# Allegro board HI3516AREFB_VER_B_PCB.brd (continued)
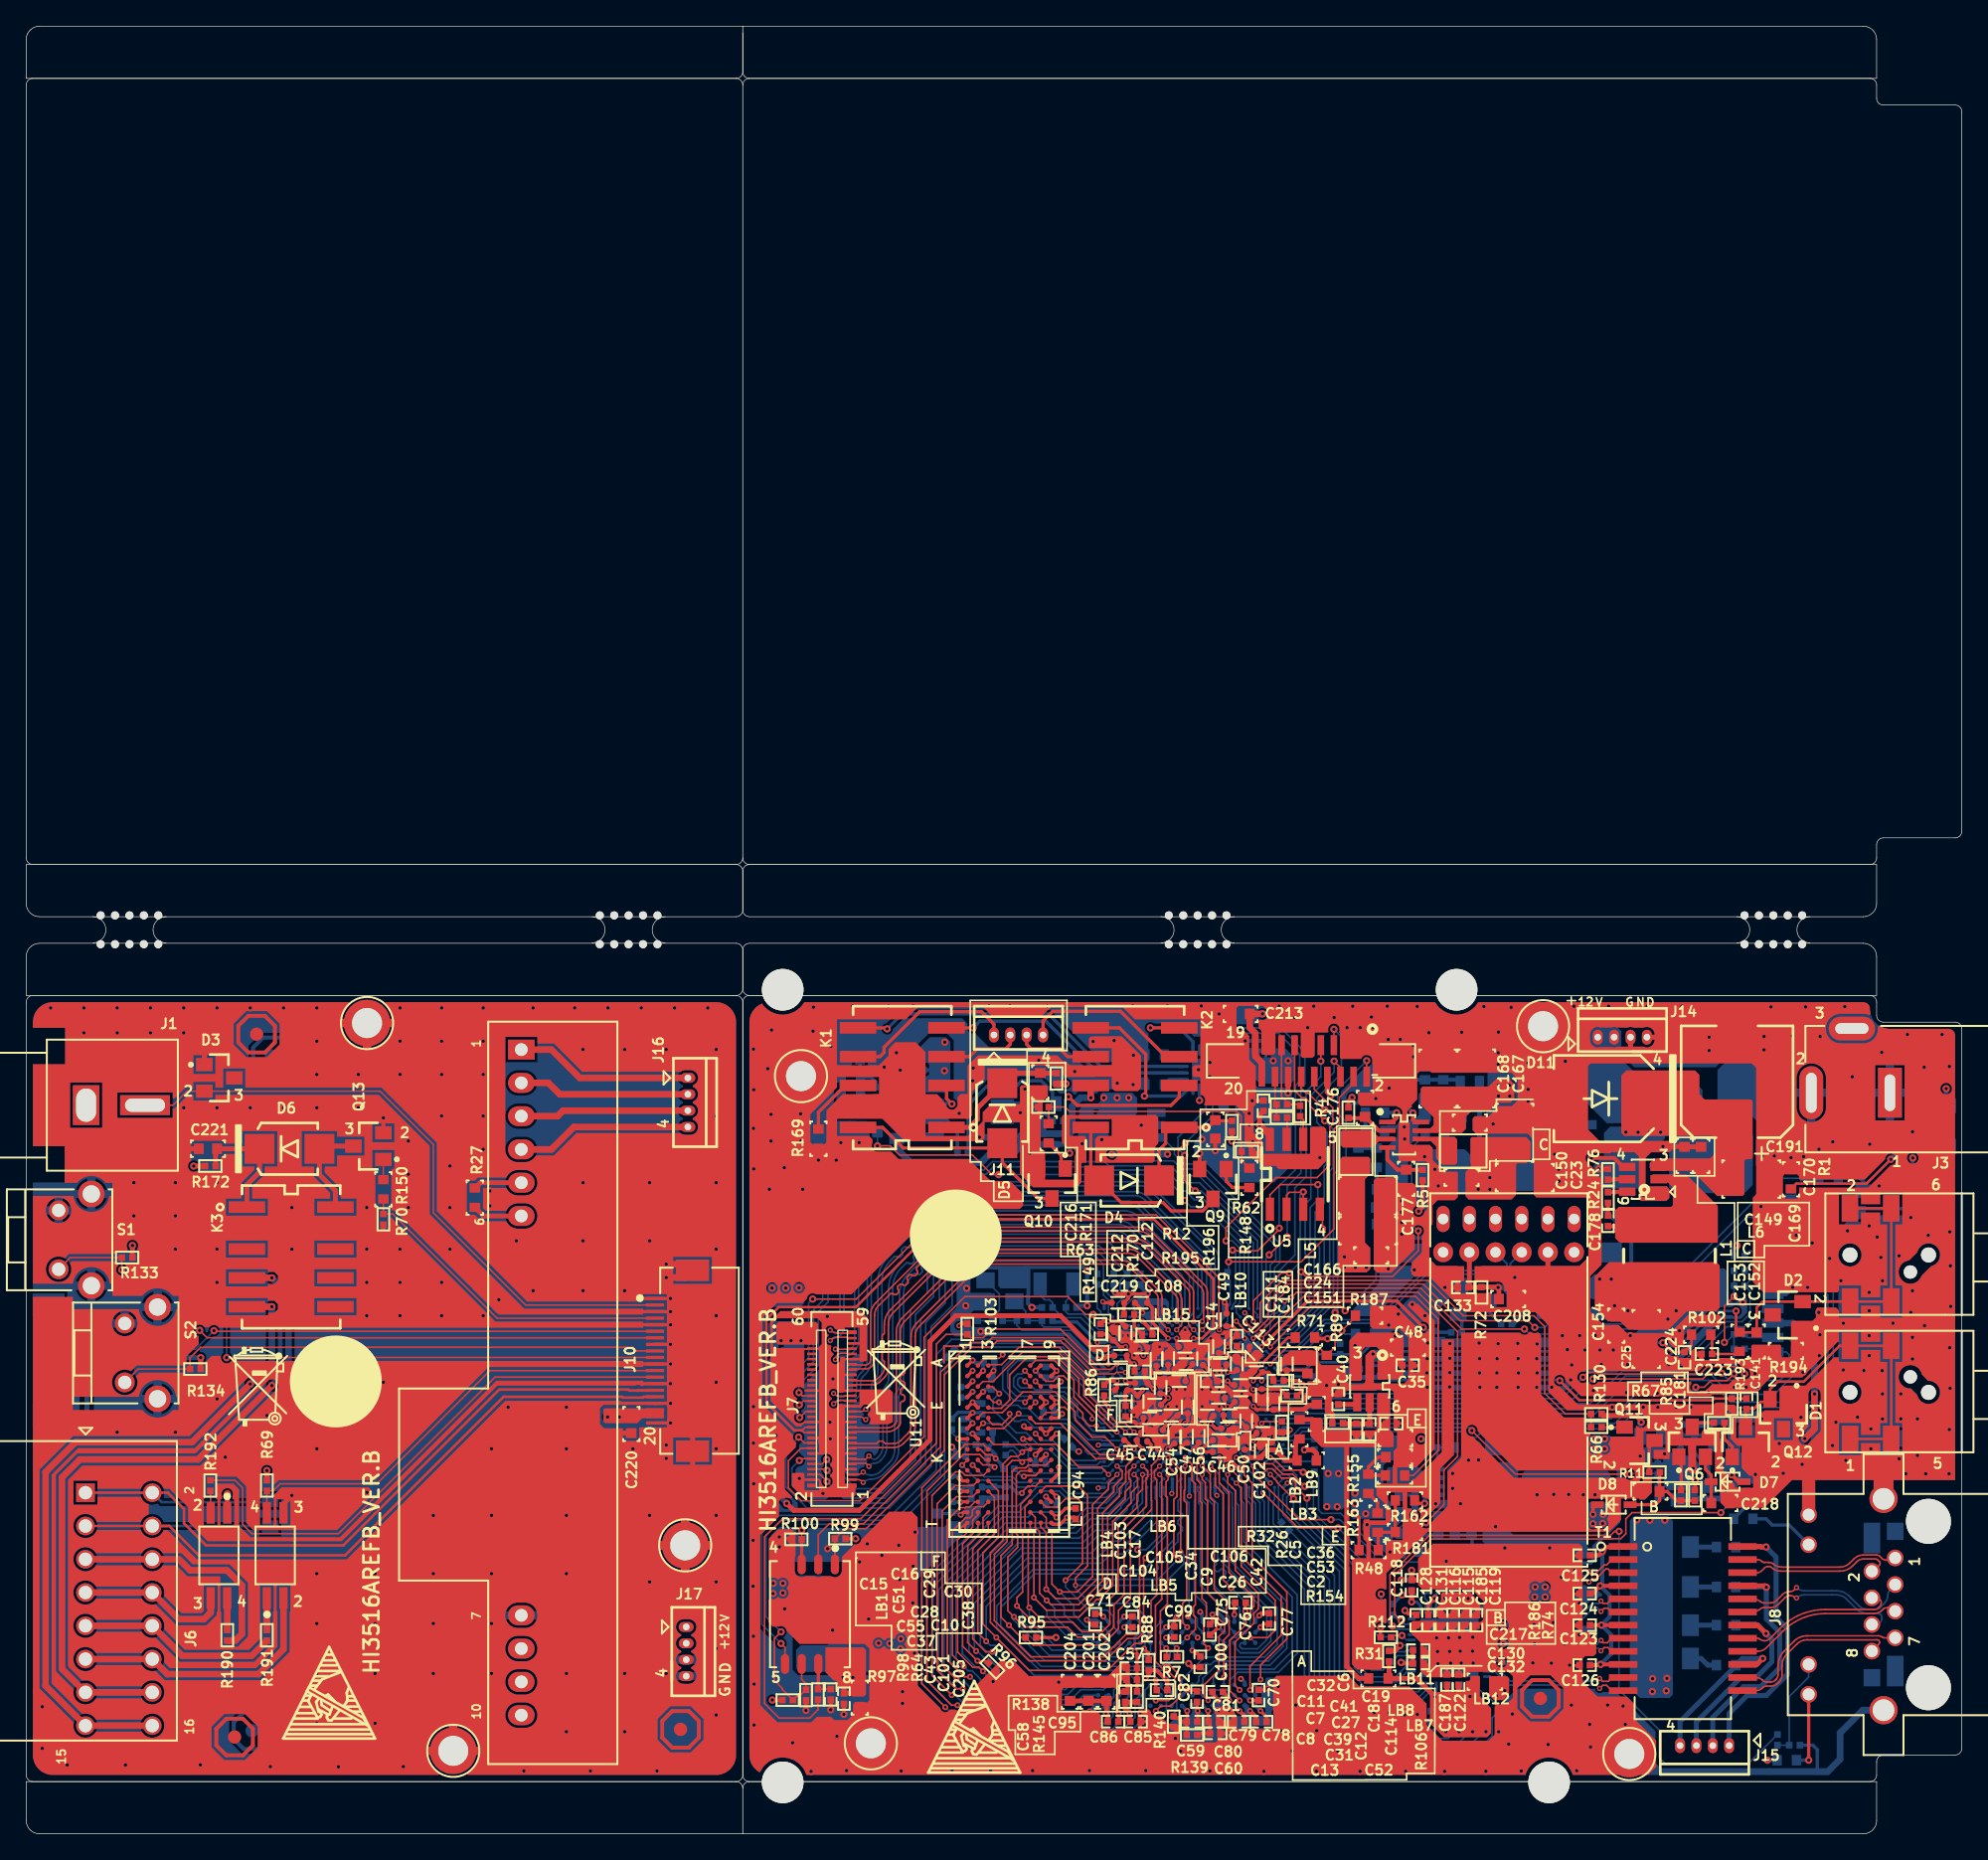
[diagram p0: board, top side]
## Nets (continued)
GND: C1.2 C2.2 C3.2 C4.2 C6.2 C7.2 C8.2 C9.2 C10.2 C11.2 C12.2 C13.2 C14.2 C15.2 C16.2 C17.2 C18.2 C19.2 C20.2 C21.2 C22.2 C23.2 C24.2 C25.2 C26.2 C27.2 C28.2 C29.2 C30.2 C31.2 C32.2 C33.2 C34.2 C35.2 C36.2 C37.2 C38.2 C39.2 C40.2 C41.2 C42.2 C43.2 C44.2 C45.2 C46.2 C47.2 C48.2 C49.2 C50.2 C51.2 C52.2 C53.2 C54.2 C55.2 C56.2 C57.2 C58.2 C59.2 C60.2 C61.2 C62.2 C63.2 C64.2 C65.2 C66.2 C67.2 C68.2 C70.2 C71.2 C75.2 C76.2 C77.2 C78.2 C79.2 C80.2 C81.2 C82.2 C83.2 C84.2 C85.2 C86.2 C87.2 C88.2 C89.2 C90.2 C91.2 C92.2 C93.2 C94.2 C95.2 C96.2 C99.2 C100.2 C101.2 C102.2 C103.2 C104.2 C105.2 C106.2 C108.2 C110.2 C111.2 C112.2 C113.2 C114.2 C115.2 C116.2 C117.2 C118.2 C119.2 C122.2 C123.2 C124.2 C125.2 C126.2 C127.2 C128.2 C129.2 C130.2 C131.2 C132.2 C133.2 C134.2 C136.1 C138.1 C140.2 C141.2 C143.2 C144.2 C145.2 C146.2 C147.2 C148.2 C149.2 C150.2 C151.2 C152.2 C153.2 C154.2 C156.2 C157.2 C158.2 C159.1 C160.2 C162.2 C163.2 C164.2 C165.2 C166.2 C167.2 C168.2 C169.2 C170.2 C172.2 C173.2 C174.2 C175.2 C176.2 C177.2 C184.2 C185.2 C186.2 C187.2 C188.2 C189.2 C190.2 C191.2 C192.2 C193.2 C194.2 C195.2 C196.2 C197.2 C198.2 C199.2 C200.2 C201.2 C202.2 C203.2 C204.2 C205.2 C208.2 C209.2 C210.2 C211.2 C212.2 C213.2 C214.2 C215.2 C216.2 C217.2 C218.2 C219.2 C222.2 C223.2 C224.2 D1.1 D2.1 D11.1 J2.2 J3.1 J3.3 J4.5 J4.6 J5.5 J5.6 J7.1 J7.4 J7.7 J7.13 J7.14 J7.19 J7.20 J7.25 J7.26 J7.31 J7.37 J7.38 J7.43 J7.49 J7.54 J7.55 J8.11 J8.12 J8.13 J9.1 J9.3 J9.5 J9.8 J9.11 J9.14 J9.17 J9.20 J9.21 J9.22 J13.6 J13.9 J13.10 J13.11 J14.3 J14.4 M5.1 M6.1 M7.1 M8.1 Q3.2 Q4.2 Q9.2 Q10.2 Q11.2 Q12.2 R1.2 R32.1 R59.1 R61.1 R62.1 R63.1 R71.1 R72.1 R73.1 R77.2 R78.2 R85.1 R86.1 R87.1 R88.1 R89.1 R95.1 R96.1 R98.1 R100.1 R106.1 R119.2 R121.2 R131.1 R132.1 R137.1 R138.1 R140.1 R141.1 R143.1 R147.1 R151.1 R169.1 R176.1 R178.1 R180.1 R181.1 R182.1 R183.1 R187.1 R188.2 R189.1 R194.1 R194.2 U2.43 U2.47 U2.49 U3.2 U4.4 U5.5 U6.1 U7.3 U7.5 U8.A1 U8.A9 U8.A11 U8.A14 U8.A22 U8.AA6 U8.AA8 U8.AA15 U8.AA18 U8.AB1 U8.AB15 U8.AB22 U8.B9 U8.B11 U8.B14 U8.B17 U8.B20 U8.D17 U8.E5 U8.E7 U8.E14 U8.E18 U8.F1 U8.F2 U8.H9 U8.H12 U8.H18 U8.H22 U8.J9 U8.J10 U8.J11 U8.J12 U8.J13 U8.J14 U8.K5 U8.K8 U8.K9 U8.K10 U8.K11 U8.K12 U8.K13 U8.K14 U8.L9 U8.L10 U8.L11 U8.L12 U8.L13 U8.L14 U8.L15 U8.M9 U8.M10 U8.M11 U8.M12 U8.M13 U8.M14 U8.N5 U8.N9 U8.N10 U8.N11 U8.N12 U8.N13 U8.N14 U8.N21 U8.N22 U8.P5 U8.P9 U8.P10 U8.P11 U8.P12 U8.P13 U8.P14 U8.P19 U8.P20 U8.R1 U8.R12 U8.R18 U8.T5 U8.T21 U8.T22 U8.U19 U8.V1 U8.V2 U8.V5 U8.V10 U8.V13 U8.V15 U8.V18 U8.W3 U8.W11 U8.W14 U8.W17 U8.Y8 U8.Y11 U8.Y14 U11.A9 U11.B1 U11.B3 U11.B9 U11.D1 U11.D8 U11.E1 U11.E2 U11.E8 U11.F9 U11.G1 U11.G8 U11.G9 U11.J2 U11.J8 U11.M1 U11.M9 U11.P1 U11.P9 U11.T1 U11.T9 U12.A9 U12.B1 U12.B3 U12.B9 U12.D1 U12.D8 U12.E1 U12.E2 U12.E8 U12.F9 U12.G1 U12.G8 U12.G9 U12.J2 U12.J8 U12.M1 U12.M9 U12.P1 U12.P9 U12.T1 U12.T9 U13.11 U13.17 U14.2 U15.4 U16.2 U17.5 U18.5 X1.2 X1.4
PGND: C142.2 C220.2 C221.2 D3.1 D12.3 J1.2 J10.1 J10.3 J10.5 J10.8 J10.11 J10.14 J10.17 J10.20 J10.21 J10.22 J12.4 J17.3 J17.4 M9.1 M10.1 M11.1 Q13.2 R70.1 S1.1 S1.3 S1.4 S2.1 S2.3 S2.4 U1.7 U9.3
A-_WHITE: K1.4 U13.2
A_RED: K2.5 U13.16
AC_MIC_IN: C141.1 C182.2 D2.2 J5.1 J5.2 J5.3 J5.4 R193.1
AC_MICBIAS: C214.1 C224.1 R102.2 U8.R22
AC_OUTL: C33.1 C181.2 R85.2 U8.R19
AC_VREF: C111.1 C184.1 U8.R21
ALARM_IN: J6.9 J6.10 R191.2
ALARM_IN_CON: J10.12 R69.1 U9.4
ALARM_IN_GND: J6.11 J6.12 U9.2
ALARM_OUT: J6.5 J6.6 R190.2
ALARM_OUT_CON: J10.13 R192.1
ALARM_OUT_GND: J6.7 J6.8 U10.3
B-_GREEN: K1.5 U13.3
B_BLACK: K2.4 U13.5
CONT+: C137.1 C138.2 K2.7 R84.1 R94.1 R146.1 R147.2
CONT+/A_RED: J11.3 K2.6
CONT-: K2.2 R83.1
CONT-/B_BLACK: J11.4 K2.3
DC_IRIS_PWM: R168.1 U8.AB18
DDR3_1_VREF_CA: C57.1 R138.2 R145.1 U12.M8
DDR3_1_VREF_DQ: C59.1 R139.1 R140.2 U12.H1
DDR3_2_VREF_CA: C62.1 R141.2 R142.1 U11.M8
DDR3_2_VREF_DQ: C64.1 R143.2 R144.1 U11.H1
DDR3_A0: U8.A7 U11.N3 U12.N3
DDR3_A1: U8.C5 U11.P7 U12.P7
DDR3_A2: U8.B5 U11.P3 U12.P3
DDR3_A3: U8.B4 U11.N2 U12.N2
DDR3_A4: U8.C9 U11.P8 U12.P8
DDR3_A5: U8.A4 U11.P2 U12.P2
DDR3_A6: U8.C3 U11.R8 U12.R8
DDR3_A7: U8.A5 U11.R2 U12.R2
DDR3_A8: U8.D4 U11.T8 U12.T8
DDR3_A9: U8.A6 U11.R3 U12.R3
DDR3_A10: U8.C6 U11.L7 U12.L7
DDR3_A11: U8.D6 U11.R7 U12.R7
DDR3_A12: U8.C7 U11.N7 U12.N7
DDR3_A13: U8.B7 U11.T3 U12.T3
DDR3_A14: U8.D5 U11.T7 U12.T7
DDR3_BA0: U8.A3 U11.M2 U12.M2
DDR3_BA1: U8.D9 U11.N8 U12.N8
DDR3_BA2: U8.D8 U11.M3 U12.M3
DDR3_CAS_N: U8.A2 U11.K3 U12.K3
DDR3_CKE: R95.2 U8.D7 U11.K9 U12.K9
DDR3_CLK0_N: R7.1 U8.A10 U12.K7
DDR3_CLK0_P: R7.2 U8.B10 U12.J7
DDR3_CLK1_N: R6.1 U8.B8 U11.K7
DDR3_CLK1_P: R6.2 U8.A8 U11.J7
DDR3_CS0_N: U8.C8 U12.L2
DDR3_CS1_N: U8.B1 U11.L2
DDR3_DM0: U8.B12 U12.E7
DDR3_DM1: U8.D13 U12.D3
DDR3_DM2: U8.H3 U11.E7
DDR3_DM3: U8.F4 U11.D3
DDR3_DQ0: U8.A16 U12.E3
DDR3_DQ1: U8.D12 U12.F7
DDR3_DQ2: U8.C13 U12.F2
DDR3_DQ3: U8.C11 U12.F8
DDR3_DQ4: U8.C14 U12.H3
DDR3_DQ5: U8.C10 U12.H8
DDR3_DQ6: U8.A17 U12.G2
DDR3_DQ7: U8.D11 U12.H7
DDR3_DQ8: U8.C12 U12.D7
DDR3_DQ9: U8.C15 U12.C3
DDR3_DQ10: U8.A12 U12.C8
DDR3_DQ11: U8.D15 U12.C2
DDR3_DQ12: U8.B16 U12.A7
DDR3_DQ13: U8.C16 U12.A2
DDR3_DQ14: U8.D14 U12.B8
DDR3_DQ15: U8.D16 U12.A3
DDR3_DQ16: U8.G3 U11.E3
DDR3_DQ17: U8.D3 U11.F7
DDR3_DQ18: U8.F3 U11.F2
DDR3_DQ19: U8.E4 U11.F8
DDR3_DQ20: U8.C2 U11.H3
DDR3_DQ21: U8.E3 U11.H8
DDR3_DQ22: U8.C1 U11.G2
DDR3_DQ23: U8.D2 U11.H7
DDR3_DQ24: U8.J3 U11.D7
DDR3_DQ25: U8.D1 U11.C3
DDR3_DQ26: U8.J1 U11.C8
DDR3_DQ27: U8.H4 U11.C2
DDR3_DQ28: U8.H2 U11.A7
DDR3_DQ29: U8.J4 U11.A2
DDR3_DQ30: U8.H1 U11.B8
DDR3_DQ31: U8.G4 U11.A3
DDR3_DQS0_N: U8.A15 U12.G3
DDR3_DQS0_P: U8.B15 U12.F3
DDR3_DQS1_N: U8.A13 U12.B7
DDR3_DQS1_P: U8.B13 U12.C7
DDR3_DQS2_N: U8.E2 U11.G3
DDR3_DQS2_P: U8.E1 U11.F3
DDR3_DQS3_N: U8.G1 U11.B7
DDR3_DQS3_P: U8.G2 U11.C7
DDR3_ODT_0: U8.D10 U12.K1
DDR3_ODT_1: U8.B2 U11.K1
DDR3_RAS_N: U8.B3 U11.J3 U12.J3
DDR3_RESET_N: R96.2 U8.B6 U11.T2 U12.T2
DDR3_WE_N: U8.C4 U11.L3 U12.L3
DDR3_ZQ: R86.2 U8.J2
DRV: C135.2 K1.2 R38.2 U15.7
DRV-: K1.7 R169.2
DVR-/B-_GREEN: J11.1 K1.6
DVR/A-_WHITE: J11.2 K1.3
EPHY_CLK: R22.1 U2.42
EPHY_RSTN: C192.1 U2.29 U8.D20
FLASH: J6.13 J6.14 K3.3
FLASH_COM: J6.15 J6.16 K3.4
FLASH_CON: J10.4 R70.2 R150.1
FLASH_TRIG: J9.4 R25.1
GPIO1: U8.AA19 U13.14
GPIO2: U8.AB17 U13.13
GPIO3: U8.AB20 U13.7
GPIO4: U8.AB16 U13.8
GPIO5: R62.2 R63.2 R148.1 R149.1
HI3516A_ALARM_IN: J9.12 U8.V22
HI3516A_ALARM_OUT: J9.13 U8.V21
I2C2_SCL: R56.1 U8.AB21 U16.3
I2C2_SDA: R57.1 U8.AA20 U16.4
IRCUT_CONTROL_1: J7.34 U8.Y20
IRCUT_CONTROL_2: J7.36 U8.AB19
LED0_ACTIVE/PHY_AD0: R45.2 R111.1 U2.34
LED1: R131.2 R177.1 U8.Y17
LED1_LINKE/PHY_AD1: R44.2 R121.1 U2.35
LED2: R132.2 R179.1 U8.W18
MDCK: R29.1 U2.30
MDI_0+: T1.2 U2.1
MDI_0-: T1.3 U2.2
MDI_1+: T1.5 U2.4
MDI_1-: T1.6 U2.5
MDI_2+: T1.8 U2.7
MDI_2-: T1.9 U2.8
MDI_3+: T1.11 U2.10
MDI_3-: T1.12 U2.11
MDIO: R31.2 U2.31 U8.D18
MIPI0_CKM: J7.21 U8.Y10
MIPI0_CKP: J7.23 U8.W10
MIPI0_D0M: J7.9 U8.AB10
MIPI0_D0P: J7.11 U8.AA10
MIPI0_D1M: J7.3 U8.AB9
MIPI0_D1P: J7.5 U8.AA9
MIPI0_D2M: J7.27 U8.AB11
MIPI0_D2P: J7.29 U8.AA11
MIPI0_D3M: J7.15 U8.W9
MIPI0_D3P: J7.17 U8.Y9
MIPI1_CKM: J7.47 U8.W13
MIPI1_CKP: J7.45 U8.Y13
MIPI1_D0M: J7.53 U8.AA13
MIPI1_D0P: J7.51 U8.AB13
MIPI1_D1M: J7.41 U8.Y12
MIPI1_D1P: J7.39 U8.W12
MIPI1_D2M: J7.59 U8.AA14
MIPI1_D2P: J7.57 U8.AB14
MIPI1_D3M: J7.35 U8.AA12
MIPI1_D3P: J7.33 U8.AB12
MUTE: R66.2 R130.1 U8.Y18
MUTE_R: C181.1 D1.2 J4.1 J4.2 J4.3 J4.4 Q12.3
MX1+: J8.1 T1.23
MX1-: J8.2 T1.22
MX2+: J8.3 T1.20
MX2-: J8.6 T1.19
MX3+: J8.4 T1.17
MX3-: J8.5 T1.16
MX4+: J8.7 T1.14
MX4-: J8.8 T1.13
ONE_KEY_RECOVERY: J9.9 U8.W20
ONE_KEY_RECOVERY_CON: J10.9 R134.1 S2.2
POE_12V: D10.1 J14.1 J14.2
POE_12V_CON: J17.1 J17.2 U1.8
POE_VA1: J15.1 R93.1 T1.24
POE_VA1_CON: J16.1 U1.1
POE_VA2: J15.2 R92.1 T1.21
POE_VA2_CON: J16.2 U1.2
POE_VB1: J15.3 R91.1 T1.18
POE_VB1_CON: J16.3 U1.3
POE_VB2: J15.4 R90.1 T1.15
POE_VB2_CON: J16.4 U1.4
RGMII_ENSWREG: R115.2 U2.38
RGMII_RX_CLK: R35.1 U8.A21
RGMII_RX_DV/PHY_AD2: R119.1 U2.13 U8.B18
RGMII_RXD0/SELRGV: R107.2 U2.14 U8.A18
RGMII_RXD1/TXDLY: R108.2 U2.16 U8.C18
RGMII_RXD2/AN0: R109.2 U2.17 U8.A19
RGMII_RXD3/AN1: R110.2 U2.18 U8.A20
RGMII_TX_CLK: R23.1 U2.22
RGMII_TX_EN: U2.27 U8.C19
RGMII_TXD0: U2.23 U8.B21
RGMII_TXD1: U2.24 U8.C21
RGMII_TXD2: U2.25 U8.C20
RGMII_TXD3: U2.26 U8.D19
RS485_A: J9.15 R12.1 R196.2
RS485_A_CON: D12.1 J6.1 J6.2 J10.15
RS485_B: J9.16 R12.2 R195.2
RS485_B_CON: D12.2 J6.3 J6.4 J10.16
RXDLY: R112.2 U2.32
SDIO1_CARD_DETECT: J13.12 R124.1 U8.J20
SDIO1_CARD_POWER_EN: R60.1 R61.2 U8.J21
SDIO1_CCLK_OUT: J13.5 U8.K22
SDIO1_CCMD: J13.3 R127.1 U8.K21
SDIO1_CDATA0: J13.7 R126.1 U8.K20
SDIO1_CDATA1: J13.8 R125.1 U8.J22
SDIO1_CDATA2: J13.1 R129.1 U8.L19
SDIO1_CDATA3: J13.2 R128.1 U8.K19
SDIO1_CWPR: R106.2 U8.J19
SDIO1_VOUT: R125.2 R126.2 R127.2 R128.2 R129.2 U8.K18
SENSOR_CLK: J7.18 R30.1
SENSOR_RSTN: J7.16 U8.Y1
SFC_CLK/SFC_BOOT_MODE: R21.1 R97.1 R98.2 U4.6
SFC_CSN1: R99.1 U4.1 U8.R3
SFC_SDI_IO1: U4.2 U8.P3
SFC_SDO_IO0: U4.5 U8.R2
SFC_WP_IO2: R100.2 U4.3 U8.P2
SHUTTER_TRIG: J7.30 U8.W15
SPI0_CLK/I2C0_SCL: J7.6 R54.1 U8.AB2
SPI0_CSN: J7.10 R28.1 U8.Y3
SPI0_MISO: J7.12 U8.AA2
SPI0_MOSI/I2C0_SDA: J7.8 R55.1 U8.Y2
SVB_PWM_CPU: R152.1 U8.AA21
SVB_PWM_DDR: R154.2 U8.W19
SVB_PWM_MEDIA: R159.1 U8.AA22
SVB_PWM_VDD: R156.2 U8.V20
SYS_RSTN_OUT: R64.2 R103.1 U8.T4
UART0_RX_CON: J10.7 J12.3
UART0_RXD: J9.7 U8.W21
UART0_TX_CON: J10.6 J12.2
UART0_TXD: J9.6 U8.Y21
UART1_RTSN: U5.2 U5.3 U8.Y19
UART1_RXD: U5.1 U8.Y22
UART1_TXD: U5.4 U8.W22
USB_DM: J2.4 U8.U21
USB_DP: J2.3 U8.U22
USB_PWREN: R58.1 R59.2 U8.V19
USB_REXT: R187.2 R189.2 U8.U20
VDAC_CVBS: J9.2 R89.2 U8.T20
VDAC_CVBS_CON: D3.2 J1.1 J10.2
VDAC_IREF: R71.2 U8.T19
VI_POWER_SENSOR: C106.1 C108.1 C219.1 J7.22 J7.24 LB15.2 R28.2 R54.2 R55.2 U8.V6 U8.V8 U8.V11 U8.V12
WPS: J9.10 U8.AA17
WPS_CON: J10.10 R133.1 S1.2
$5N57: R76.2 U6.5
$5N65: C178.2 L1.1 U6.2
$5N74: C178.1 R24.2
$5N76: R24.1 U6.6
$5N81: R80.1 U6.4
$5N83: R80.2 R137.2 R184.1
$5N111: C144.1 R75.2 U7.1
$5N133: L2.1 U7.6
$5N140: R39.1 R151.2 U7.2
$5N172: C174.1 R2.2 U17.4
$5N179: C175.1 R3.2 U17.2
$5N189: L3.2 U17.6
$5N227: L4.1 U17.3
$5N272: L5.1 U18.3
$5N281: C176.1 R4.2 U18.2
$5N289: C177.1 R5.2 U18.4
$5N295: L6.2 U18.6
$5N319: C1.1 R152.2 R153.1
$5N325: C2.1 R154.1 R155.2
$5N329: C3.1 R156.1 R157.2
$5N333: C4.1 R158.1 R159.2
$5N360: R160.2 U17.8
$5N362: R47.2 R160.1 R161.2 R180.2
$5N366: R153.2 R161.1
$5N371: R162.1 U17.1
$5N373: R48.1 R162.2 R163.1 R181.2
$5N376: R155.1 R163.2
$5N379: R158.2 R165.1
$5N382: R50.2 R164.1 R165.2 R183.2
$5N384: R164.2 U18.8
$5N387: R157.1 R167.2
$5N390: R49.1 R166.2 R167.1 R182.2
$5N396: R166.1 U18.1
$5N399: D9.1 J3.2
$5N405: D9.2 D10.2 F1.1
$5N426: C5.2 R26.1 R32.2 U14.5
$5N430: C40.1 U14.4
$8N61: R88.2 U12.L8
$8N208: R87.2 U11.L8
$9N9: C200.1 R37.1 U8.U1 X1.1
$9N11: R37.2 R185.1 U8.U2
$9N21: C199.1 R185.2 X1.3
$9N36: C197.1 U8.W2 X2.1
$9N38: C198.1 U8.W1 X2.2
$9N69: C103.1 LB4.1 U8.U4
$9N193: R22.2 U8.E19
$9N253: R23.2 U8.B22
$9N273: R29.2 U8.B19
$9N302: C43.1 R64.1 U4.7
$9N313: R21.2 U8.P1
$10N55: R30.2 U8.AA1
$10N134: R105.1 U8.H19
$11N52: R196.1 U5.6
$11N242: C182.1 U8.P22
$11N297: R25.2 U8.Y15
$11N310: R195.1 U5.7
$12N30: R35.2 U2.19
$12N55: R188.1 U2.39
$12N66: L7.1 U2.48
$12N249: C123.1 C124.1 C125.1 C126.1 T1.1 T1.4 T1.7 T1.10
$12N424: C193.1 R90.2
$12N434: C194.1 R91.2
$12N437: C195.1 R92.2
$12N444: C196.1 R93.2
$13N108: C190.1 J7.56 J7.58 J7.60 L8.1
$14N16: J8.14 R46.1
$14N24: C172.1 R44.1 R46.2
$14N29: C173.1 J8.15 R45.1
$14N96: C179.1 LB13.2 Q1.2 R81.2
$14N104: Q3.3 R9.1
$14N106: Q3.1 R58.2
$14N148: J8.16 R8.1
$14N159: C179.2 Q1.1 R9.2 R81.1
$15N47: C180.1 LB14.2 Q2.2 R82.2
$15N48: C180.2 Q2.1 R10.2 R82.1
$15N50: Q4.1 R60.2
$15N51: Q4.3 R10.1
$16N20: C135.1 R38.1 R136.1 R173.2 U15.6
$16N22: C156.1 R53.2 R173.1
$16N24: C158.1 R52.2 R53.1
$16N26: C157.1 R52.1 R168.2
$16N78: R84.2 U15.3
$16N80: R40.1 R83.2 U15.2
$16N92: R40.2 R136.2 U15.1
$16N98: R94.2 U15.5
$17N10: C159.2 U13.12
$17N32: C139.1 U13.9
$17N46: R77.1 U13.1
$17N50: R78.1 U13.4
$17N80: C216.1 D5.2 K1.1 R171.2
$17N83: D5.1 K1.8 Q10.3
$17N87: Q10.1 R149.2
$17N129: C212.1 D4.2 K2.1 R170.2
$17N132: Q9.1 R148.2
$17N133: D4.1 K2.8 Q9.3
$18N47: LED1.1 LED1.3 R175.2
$18N52: LED1.4 Q7.3
$18N54: Q7.1 R177.2
$18N62: Q7.2 R176.2
$18N72: Q8.1 R179.2
$18N75: Q8.2 R178.2
$18N77: LED1.2 Q8.3
$18N416: Q11.1 R66.1
$18N425: Q11.3 R11.1
$18N427: C217.1 D8.2 R11.2 R74.1 R186.1
$18N435: C218.1 D7.1 Q6.2
$18N438: Q6.1 R186.2
$18N440: Q6.3 R67.2
$18N442: Q12.1 R67.1
$18N491: C223.1 R102.1 R193.2
$18N517: LED2.2 R1.1
$19N51: R192.2 U10.2
$19N55: R191.1 U9.1
$19N64: C221.1 D6.2 K3.1 R172.2
$19N66: Q13.1 R150.2
$19N67: D6.1 K3.8 Q13.3
$19N114: R190.1 U10.4
$19N229: R27.1 U1.6
$19N230: R27.2 U1.5

Pads without a net: D1 3; D2 3; D3 3; J2 1 6; J7 2 28 32 40 42 44 46 48 50 52; J12 5 6; J13 13; K3 2 5 6 7; LED2 3; NOREF#3 1; NOREF#8 1; NOREF#21 1; NOREF#22 1; NOREF#33 1; NOREF#34 1; NOREF#35 1; U1 9 10; U2 12 20 33 46; U7 8; U8 AA3 AA4 AA5 AA7 AA16 AB3 AB4 AB5 AB6 AB7 AB8 C22 D21 D22 E20 E21 E22 F19 F20 F21 F22 G19 G20 G21 G22 H20 H21 K1 K2 K3 K4 L1 L2 L3 L4 L20 L21 L22 M1 M2 M3 M4 M18 M19 M20 M21 M22 N1 N2 N3 N4 N19 N20 P4 P21 R4 R20 T1 T2 T3 V3 V4 W4 W5 W6 W7 W8 W16 Y4 Y5 Y6 Y7 Y16; U11 J1 J9 L1 L9 M7; U12 J1 J9 L1 L9 M7; U13 6; U16 1 5

## Via types
v1: diameter 0.559, hole 0.254, TOP to BOTTOM, 800 vias
v2: diameter 0.457, hole 0.203, TOP to BOTTOM, 142 vias
v3: diameter 0.406, hole 0.203, TOP to BOTTOM, 173 vias
v4: diameter 0.508, hole 0.254, TOP to BOTTOM, 5 vias

## Routing (per net, layer and track width the routed paths; a pad name or vN(x,y) marks a point on that pad's centre or on a via; arc(x,y) is an arc through that point)
1V1_CPU_CORE: length 11.4
  TOP w0.254: C34.1 86.27,35.46 v3(86.51,35.22) v3(87.16,35.22) 87.17,35.23 C9.1
  BOTTOM w0.254: U8.R9 87.48,35.55 v3(87.16,35.22) ; v3(87.16,35.22) 86.84,35.54 U8.R8 86.83,35.55 v3(86.51,35.22) ; v3(87.16,35.22) 86.84,34.9 U8.P8
  BOTTOM w0.381: R50.1 110.93,50.87 v1(111.72,50.08)
  vias: v1(110.83,49.2) v1(111.72,49.2)
1V1_DDR_CORE: length 8.1
  TOP w0.254: v3(88.46,31.31) 88.66,31.51 C38.1 88.65,32.1 88.04,32.1 C10.1 87.76,31.92 v3(87.16,31.32) 86.77,30.93 C37.1 ; R48.2 101.73,24.13 v1(101.43,24.43)
  BOTTOM w0.254: U8.H10 88.15,31 v3(88.46,31.31) 88.78,31 U8.H11 ; U8.J8 86.84,31.64 v3(87.16,31.32) U8.H8
  vias: v1(101.43,26) v1(101.43,25.19) v1(102.24,24.43)
1V1_MEDIA_CORE: length 25.5
  TOP w0.254: C41.1 92.03,34.26 v3(91.71,34.57) 91.68,34.54 C11.1 90.76,34.7 90.76,34.87 v3(90.41,35.22) 89.86,35.78 C42.1 ; C12.1 92.72,31.44 91.83,31.44 v3(91.71,31.32) 91.39,31.64 C39.1
  BOTTOM w0.254: U8.M15 91.52,33.73 91.52,34.11 U8.N15 v3(91.71,34.57) ; U8.H15 91.71,31.32 v3(91.71,31.32) 91.39,31.64 U8.J15 ; 120.89,28.44 121.55,27.78 121.55,23.82 119.67,21.94 119.67,20.93 119.41,20.67 112.67,20.67 R47.1 ; U8.R14 v3(90.41,35.22) U8.R13
  vias: v1(119.72,30.15) v1(119.72,29.38) v1(120.48,30.15) v1(120.48,29.38)
1V1_VDD_CORE: length 21.5
  TOP w0.254: C7.1 91.48,32.85 v3(91.71,32.62) 91.9,32.62 C27.1 ; C26.1 89.01,35.77 v3(88.46,35.22) 88.48,35.2 C30.1 ; C8.1 90.41,31.72 v3(90.41,31.32) 90.8,30.94 C31.1 ; C32.1 91.59,35.34 v3(91.71,35.22) 92.21,35.22 C6.1 ; LB5.2 85.39,34.6 C16.1 85.88,34.11 85.91,34.11 v2(86.06,33.96) ; C29.1 86.83,33.6 v3(87.16,33.27) 87.12,33.27 C28.1
  POWER02 w0.254: v2(86.06,33.96) 86.57,33.96
  BOTTOM w0.203: U8.P15 v3(91.71,35.22)
  BOTTOM w0.254: v3(91.71,32.62) 91.39,32.3 U8.K15 ; v3(91.71,35.22) 91.39,35.55 U8.R15 ; U8.L8 v3(87.16,33.27) 86.84,33.59 U8.M8 ; U8.H13 90.09,31 v3(90.41,31.32) U8.H14 ; U8.R11 v3(88.46,35.22) U8.R10 ; U8.N8 87.15,33.93 87.15,33.93 v3(87.16,33.92)
  BOTTOM w0.305: v1(100.62,44.04) 100.62,49.81 R49.2
  vias: v1(100.62,43.23) v1(101.46,43.23) v1(102.29,43.23)
1V5: length 72.2
  TOP w0.127: U11.K2 73.02,28.16 73.75,28.16 v2(73.92,27.99)
  TOP w0.254: v2(86.22,11.74) 86.22,11.04 C95.1 ; U11.G7 76.33,30.94 v2(76.16,31.11) ; v2(91.82,10.18) 91.82,10.18 91.82,10.37 C81.1 ; C78.1 94.68,8.91 v2(94.22,9.38) ; U11.A1 v2(72.24,36.14) ; U11.F1 72.06,31.96 v2(72.24,32.14) ; U11.C9 78.6,34.14 78.95,34.49 78.95,34.49 v2(78.98,34.51) ; U11.K8 77.44,28.54 v2(77.84,28.94) ; C100.1 89.39,13.77 89.24,13.77 v2(89.01,14) ; v2(72.24,30.54) 72.43,30.35 72.43,30.35 U11.H2 ; v3(85.86,29.37) 85.86,29.69 85.61,29.95 C44.1 ; U11.E9 78.24,32.54 v2(78.64,32.94) U11.D9 ; v2(82.21,16.58) 82,16.79 C71.1 ; U11.R1 71.53,24.54 71.33,24.34 v2(71.33,24.34) ; v2(88.62,10.98) 89.27,10.98 C82.1 ; v2(94.21,15.77) 94.45,16.02 94.87,16.02 C77.1 ; v2(92.21,16.73) 92.21,17.59 C76.1 ; R139.2 89.52,7.67 C60.1 90.36,8.45 C80.1 90.22,8.59 v2(90.22,9.38) ; v2(83.82,15.77) 84.43,15.77 C84.1 ; U11.N1 71.84,26.14 v2(71.29,26.14) ; C70.1 94.06,10.18 v2(93.42,10.18) ; C46.1 89.98,29.15 v3(89.76,29.37) 90.44,30.05 C13.1 ; v2(87.01,15.78) 87.06,15.82 C99.1 87.64,16.38 v2(87.83,16.57) ; U11.H9 78.24,30.14 v2(78.64,30.54) ; U11.C1 v2(72.24,34.54) ; U11.N9 78.24,26.14 v2(78.64,25.74) ; U11.R9 78.24,24.54 v2(78.64,24.14) 79.34,24.84 C94.1 ; v3(85.21,29.37) 84.76,29.83 C45.1 ; U11.D2 v2(73.04,33.74) ; U11.B2 v2(73.04,35.34) ; v2(77.04,35.34) 77.44,35.74 U11.A8 ; C75.1 90.54,16.18 v2(90.54,16.73)
  TOP w0.305: C79.1 92.98,9.01 v2(92.62,9.38) ; v3(88.14,29.5) 88.47,29.84 C47.1
  TOP w0.381: C86.1 82.55,9.04 v2(82.41,9.18) 82.46,9.24 C202.1 C201.1 C204.1 ; R145.2 C58.1 83.88,9.56 v2(84.22,9.22) 84.22,8.62 C85.1
  BOTTOM w0.203: v2(86.22,11.74) 86.22,10.97 U12.K2 ; U8.E13 v3(89.76,29.37)
  BOTTOM w0.254: v2(87.83,16.57) 88.03,16.36 88.03,16.36 U12.H9 ; U12.G7 89.01,14.57 v2(89.01,14) ; v2(82.21,16.58) 82.61,16.18 U12.R9 ; v2(73.04,33.74) 73.21,33.91 C90.1 ; v2(91.82,10.18) 91.42,10.58 U12.D2 ; v2(88.62,10.98) 88.22,10.58 88.22,10.58 U12.H2 ; U12.C9 92.21,16.18 v2(92.21,16.73) ; C67.1 78.47,32.76 v2(78.64,32.94) ; v2(84.22,9.22) 84.22,9.77 U12.N1 ; C61.1 R142.2 71.62,26.46 v2(71.29,26.14) 71.09,26.35 70.74,26.35 C68.1 ; v2(72.24,34.54) 71.81,34.11 C89.1 ; C91.1 71.87,30.54 v2(72.24,30.54) 72.87,30.54 C66.1 ; U8.E6 85.54,29.05 v3(85.86,29.37) ; v2(71.33,24.34) 71.14,24.53 C63.1 70.6,24.44 C203.1 ; 73.04,35.94 C87.1 ; 73.04,35.94 73.03,35.94 72.44,35.94 v2(72.24,36.14) ; 73.04,35.94 v2(73.04,35.34) ; U8.E9 U8.E10 v3(88.14,29.5) ; U12.D9 91.42,16.44 91.02,16.84 90.64,16.84 v2(90.54,16.73) 90.62,16.65 U12.E9 ; v2(94.22,9.38) 93.82,9.78 U12.A1 ; v2(83.82,15.77) 84,15.96 84,15.96 U12.N9 ; U8.G5 U8.F5 84.89,29.7 v3(85.21,29.37) ; U12.B2 93.02,10.58 v2(93.42,10.18) ; C83.1 78.64,25.11 v2(78.64,25.74) ; C96.1 78.84,30.54 v2(78.64,30.54) ; U8.E12 v3(89.76,29.37) ; C65.1 77.84,28.25 v2(77.84,28.94) ; v2(73.92,27.99) 73.65,27.99 73.38,28.26 C92.1 ; U12.F1 v2(90.22,9.38) ; U12.C1 v2(92.62,9.38) ; U12.K8 86.8,15.56 86.8,15.57 v2(87.01,15.78) ; v2(78.98,34.51) 78.67,34.82 C93.1 77.73,34.9 77.48,34.9 v2(77.04,35.34) ; v2(82.41,9.18) 82.62,9.39 U12.R1 ; R144.2 71.14,32.17 72.21,32.17 v2(72.24,32.14) 72.87,32.14 C88.1 ; U12.A8 v2(94.21,15.77)
  vias: v1(65.06,14.55) v1(65.92,14.52) v1(66.76,14.88) v1(66.73,14.12)
1V05_REGOUT: length 12.4
  TOP w0.254: v1(107.53,17.95) 107.02,17.45 C131.1 ; v1(105.24,17.04) 105.47,16.81 106,16.81 C128.1
  TOP w0.305: v1(104.94,13.08) 105.01,13 C132.1 C130.1
  BOTTOM w0.203: U2.36 105.75,16.53 v1(105.24,17.04) ; U2.28 105.06,13.2 v1(104.94,13.08) ; v1(112.61,13.13) 112.54,13.2 U2.9 ; v1(112.73,15.92) 112.48,15.92 112.15,15.6 U2.3 ; C127.1 108.03,18.69 107.53,18.18 v1(107.53,17.95) 107.63,17.85 U2.40
  BOTTOM w0.381: v1(112.61,13.13) 112.69,13.05 C129.1 ; C189.1 112.78,15.97 v1(112.73,15.92)
  vias: v1(115.17,18.84) v1(115.15,18.08) v1(115.93,18.84) v1(115.93,18.08)
1V8: length 20.3
  TOP w0.381: LB2.1 98.15,31.62 98.46,31.31 ; LB11.2 101.71,11.86 100.79,12.77 100.79,29.61
3V3: length 102.7
  TOP w0.254: LB8.2 97.05,34.59 v1(97.38,34.25) 97.38,33.83 LB7.2 ; v2(91.71,36.45) 91.45,36.71 C14.1 ; v1(127.39,26.97) 127.39,26.26 R74.2 ; C49.1 92.08,38.76 92.41,38.43 LB10.1 92.32,38.03 91.71,37.42 v3(91.71,37.17) ; v1(119.59,24.38) 119.59,24.84 119.87,25.12 D8.1 ; v3(93.66,29.37) 93.04,29.37 C50.1 ; R112.1 v1(103.38,15.75) ; R97.2 v1(56.95,10.21) ; R99.2 v1(63.31,22.53)
  TOP w0.305: D7.2 130.71,26.87 v1(130.18,27.4) ; v3(85.21,39.12) 85.96,38.37 LB6.2 ; R5.1 106.59,47.82 v1(106.28,47.52) ; v3(71.2,38.78) 71.36,38.93 R103.2 ; C17.1 83.51,39.12 v3(82.61,39.12) 82.2,39.12 LB4.2 ; v1(101.2,56.21) 100.92,55.93 R4.1 ; LB1.1 83.91,33.73 C15.1 84.42,33.86 C51.1 85.21,33.82 v3(85.21,33.92) ; C52.1 93.66,30.33 v3(93.66,30.02) ; R170.1 v1(92.03,52.88)
  TOP w0.381: R130.2 120.38,31.92 122.89,31.92 123.27,31.54 v1(123.27,31.42) ; 94.44,55.16 94.14,54.86 v1(94.14,54.1) ; C118.1 v1(105.75,17.7) ; LB3.1 98.49,29.03 98.2,29.31 v1(97.57,29.31) ; 63.39,10.73 C101.1 62.42,11.87 v1(62.35,11.94)
  TOP w0.508: v1(79.36,57.25) 79.35,57.25 R171.1 ; v1(94.37,62.58) 94.36,62.58 C213.1 93.39,61.53 93.82,61.1 J9.19 93.82,59.35 94.32,58.85 J9.18 ; v1(94.14,54.1) 94.93,53.31 U5.8
  POWER02 w0.305: 122.04,8.99 122.65,8.99 124.68,6.96 124.68,5.86 125.76,4.78 132.06,4.78 v1(132.9,5.62)
  POWER02 w0.381: 125.01,27.76 125.79,26.97 v1(127.39,26.97) ; v1(130.18,27.4) 130.18,29.05 130.17,29.07 ; v3(93.66,29.37) v3(93.66,30.02)
  BOTTOM w0.203: v1(110.07,17.95) 109.63,17.52 U2.45 ; v1(105.75,17.7) 106.13,17.7 106.43,17.4 U2.37 ; v1(112.73,14.52) 112.61,14.4 U2.6 ; v1(109.3,17.95) 109.23,17.88 U2.44 ; U2.41 108.03,17.72 108.29,17.98 v1(108.29,17.99)
  BOTTOM w0.254: U8.V16 92.04,37.49 v3(91.71,37.17) ; R111.2 v1(103.42,18.3) ; v1(106.46,30.15) 106.62,30.15 106.89,29.88 R2.1 ; U13.15 v1(89.56,55.98) ; v3(93.66,29.37) 93.34,29.69 U8.F18 ; U8.V17 92.69,37.42 v2(91.71,36.45) ; U8.G18 93.34,30.34 v3(93.66,30.02) ; 92.12,58.58 U13.10
  BOTTOM w0.305: v1(97.57,29.31) 98.31,29.31 R105.2 ; R115.1 v1(104.96,19.38) ; C136.2 69.12,58.29 ; C117.1 110.19,18.08 v1(110.07,17.95) ; U8.L5 U8.M5 v3(85.21,33.92) ; R184.2 118.07,50.03 122.51,45.59 122.51,41.58 v1(121.24,40.31) ; R3.1 v1(106,24.3) ; R124.2 130.36,44.67 v1(130.59,44.9) ; R8.2 v1(132.9,5.62) ; R75.1 61.48,17.65 ; R175.1 v1(144,51.58)
  BOTTOM w0.381: C186.1 112.76,14.5 v1(112.73,14.52) ; LB14.1 123.18,31.32 v1(123.27,31.42) ; R146.2 C137.2 v1(79.65,51.95) ; C160.1 59.52,18.67 R75.1 ; LED2.1 v1(146.55,56.87)
  BOTTOM w0.508: R57.2 82.87,51.87 v1(82.86,51.86) ; R56.2 v1(87.12,51.87)
  vias: v1(56.93,41.65) v1(57.02,19.12) v1(57.01,18.34) v1(57.76,19.12) v1(57.76,18.38) v1(57.97,41.65) v1(58.99,41.68) v1(63.1,11.93) v1(70.09,58.24) v1(70.11,60.42) v1(82.25,56.18) v1(83.27,56.18) v1(84.16,56.18) v1(95.18,59) v1(96.32,59) v1(101.43,37.26) v1(104.5,37.99) v1(112.22,10.54) v1(112.38,57.15) v1(112.38,56.31) v1(112.86,10.92) v1(113.22,57.12) v1(113.24,56.31) v1(119.59,23.67) v1(120.1,42.34) v1(120.35,24.38) v1(120.33,23.69) v1(120.99,42.34) v1(122.26,39.92) v1(125.31,39.29) v1(125.94,39.92)
3V3_CON: length 17
  TOP w0.381: R133.2 v1(8.11,44.9) ; R172.1 v1(12.78,50.97) ; R69.2 v1(18.37,27.72) ; U10.1 v1(15.35,25.95) ; R134.2 v1(13.32,36.34)
  BOTTOM w0.381: C142.1 J12.1 5.35,34.27 7.42,36.34 v1(13.32,36.34)
  vias: v1(44.38,31.81) v1(45.27,31.81)
3V3_SDXC: length 17.8
  TOP w0.508: v1(135.76,30.17) 136.5,30.91 v1(136.5,33.57)
  BOTTOM w0.508: v1(135.76,30.17) 134.59,29 C134.1 134.11,28.99 C209.1 132.88,29 R73.2 131.31,29.34 Q2.3 ; J13.4 134.86,38.98 135.97,37.87 135.97,36.24 136.5,35.72 v1(136.5,33.57)
3V3_WIFI: length 7.5
  TOP w0.381: C208.1 112.42,41.64 v1(112.35,41.7) 112.33,41.73 R72.2 111.06,41.7 C133.1 110.15,41.76 J2.5
  BOTTOM w0.381: Q1.3 112.73,41.7 v1(112.35,41.7)
12V0: length 0.7
  TOP w0.305: R76.1 v1(120.02,50.75)
  vias: v1(122.1,53.55) v1(123.03,53.55) v1(123.89,53.55) v1(124.75,53.55)
AVDD11_PLL: length 2
  TOP w0.305: LB5.1 84.6,35.83 v3(84.56,35.87) 84.39,35.87 84,36.26 C104.1
  BOTTOM w0.305: U8.R5 v3(84.56,35.87)
AVDD33_AC: length 3.2
  TOP w0.254: LB7.1 95.72,33.94 C18.1 93.68,33.94 v3(93.66,33.92)
  BOTTOM w0.203: U8.N18 v3(93.66,33.92)
AVDD33_PLL: length 4.2
  TOP w0.254: v3(85.28,36.52) 85.57,36.82 C105.1 85.18,37.52 LB6.1 84.58,38.72 LB15.1
  BOTTOM w0.254: U8.U5 84.95,36.85 v3(85.28,36.52)
AVDD33_USB: length 2.2
  TOP w0.254: C113.1 93.38,36.89 v3(93.01,36.52) 92.41,37.12 LB10.2
  BOTTOM w0.254: U8.T18 93.01,36.52 v3(93.01,36.52)
AVDD33_VDAC: length 2.7
  TOP w0.254: v3(93.66,34.57) 94.33,35.24 C19.1 94.37,35.23 94.83,35.23 95.19,34.86 LB8.1
  BOTTOM w0.203: U8.P18 v3(93.66,34.57)
AVDD_BAT: length 58.1
  TOP w0.381: v1(58.05,25.22) 58.58,24.68 63.6,24.68 68.98,30.07 68.98,37.58 70.95,39.54 78.94,39.54 81.54,36.95 82.39,36.95 v3(82.61,37.17)
  BOTTOM w0.152: v3(82.61,37.17) 83.26,37.17 U8.U3
  BOTTOM w0.381: v1(58.05,25.22) 56.19,27.07 56.19,43.38 56.57,43.76 U3.1
AVDD_DDRPLL: length 10.6
  TOP w0.254: C54.1 87.59,29.8 v3(87.16,29.37) ; C55.1 85.28,31.49 v3(84.91,31.13) ; C56.1 89.49,29.75 v3(89.11,29.37)
  TOP w0.305: v3(84.91,31.13) 84.6,31.45 84.33,31.45 LB1.2
  BOTTOM w0.254: U8.J5 84.89,31.16 v3(84.91,31.13) ; v3(87.16,29.37) 86.84,29.05 U8.E8 ; U8.E11 v3(89.11,29.37)
  BOTTOM w0.381: 87.07,29.89 86.79,29.89 85.55,31.13 v3(84.91,31.13) ; 87.07,29.89 87.16,29.8 v3(87.16,29.37) ; 87.07,29.89 87.28,30.1 88.59,30.1 89.11,29.57 v3(89.11,29.37)
DVDD18_SDIO: length 5.6
  TOP w0.127: 98.46,32.79 LB9.1
  TOP w0.254: v3(93.66,32.62) 93.9,32.38 95.23,32.38 C114.1
  TOP w0.381: 98.46,32.79 98.38,32.71 97.87,32.71 97.55,32.38 95.23,32.38